# KiCad board motherboard.kicad_pcb (continued)
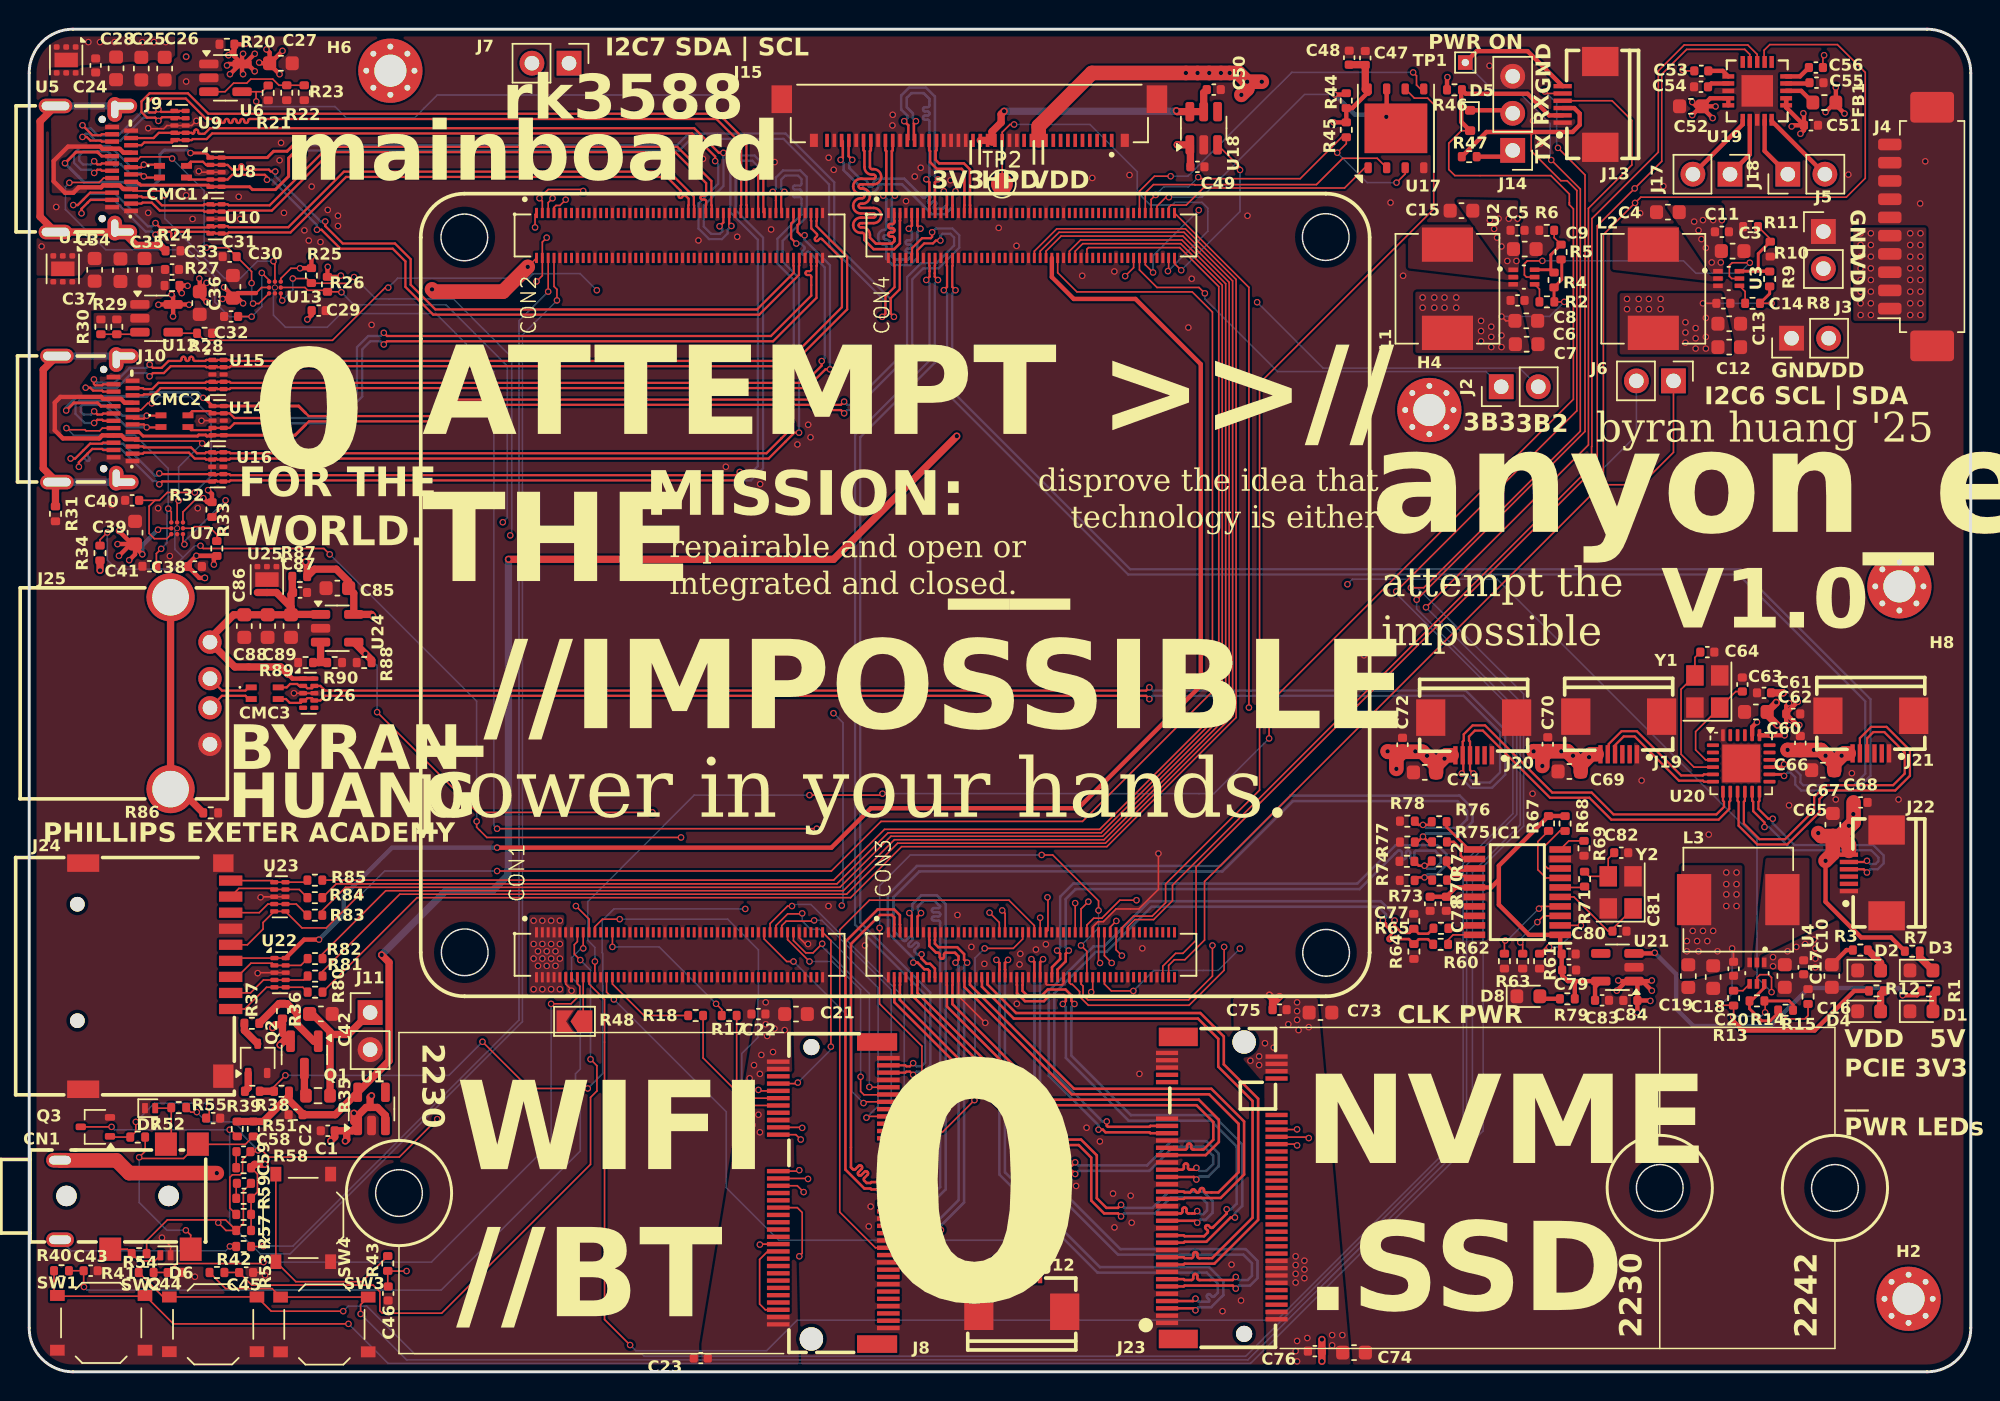
[diagram p0: board, top side]
## Nets (continued)
/USB2.0/D3_N: U20.7
/USB2.0/D3_P: U20.8
/USB2.0/D4_N: J19.5 U20.5
/USB2.0/D4_P: J19.4 U20.6
/USB2.0/X1: C63.1 U20.3 Y1.1
/USB2.0/X2: C64.1 U20.4 Y1.3
/USB20_HOST0_DN: J1.324 U20.14
/USB20_HOST0_DP: J1.322 U20.15
/USB20_HOST1_DN: J1.318 J8.5
/USB20_HOST1_DP: J1.316 J8.3
/USBC0/CC1: C31.1 J9.A5 U13.C1
/USBC0/CC2: C32.1 J9.B5 U13.A1
/USBC0/D+: CMC1.4 J1.190 U8.2 U8.9
/USBC0/D-: CMC1.3 J1.192 U8.4 U8.7
/USBC0/IN_D+: CMC1.1 J9.A6 J9.B6
/USBC0/IN_D-: CMC1.2 J9.A7 J9.B7
/USBC0/RX1+: J1.171 J9.B11 U9.1 U9.10
/USBC0/RX1-: J1.173 J9.B10 U9.2 U9.9
/USBC0/RX2+: J1.159 J9.A11 U10.2 U10.9
/USBC0/RX2-: J1.161 J9.A10 U10.1 U10.10
/USBC0/SBUS+: J1.304 J9.A8 U8.5 U8.6
/USBC0/SBUS-: J1.306 J9.B8 U8.1 U8.10
/USBC0/TX1+: J1.165 J9.A2 U9.4 U9.7
/USBC0/TX1-: J1.167 J9.A3 U9.5 U9.6
/USBC0/TX2+: J1.153 J9.B2 U10.5 U10.6
/USBC0/TX2-: J1.155 J9.B3 U10.4 U10.7
/USBC1/CC1: C40.1 J10.A5 U7.C1
/USBC1/CC2: C41.1 J10.B5 U7.A1
/USBC1/D+: CMC2.4 J1.196 U14.2 U14.9
/USBC1/D-: CMC2.3 J1.198 U14.4 U14.7
/USBC1/IN_D+: CMC2.1 J10.A6 J10.B6
/USBC1/IN_D-: CMC2.2 J10.A7 J10.B7
/USBC1/RX1+: J1.195 J10.B11 U15.1 U15.10
/USBC1/RX1-: J1.197 J10.B10 U15.2 U15.9
/USBC1/RX2+: J1.183 J10.A11 U16.2 U16.9
/USBC1/RX2-: J1.185 J10.A10 U16.1 U16.10
/USBC1/SBUS+: J1.310 J10.A8 U14.5 U14.6
/USBC1/SBUS-: J1.312 J10.B8 U14.1 U14.10
/USBC1/TX1+: J1.189 J10.A2 U15.4 U15.7
/USBC1/TX1-: J1.191 J10.A3 U15.5 U15.6
/USBC1/TX2+: J1.177 J10.B2 U16.5 U16.6
/USBC1/TX2-: J1.179 J10.B3 U16.4 U16.7
/VDC_MODE: J1.18 R48.1
Net-(C58-Pad2): C58.2 R58.2
Net-(C59-Pad2): C59.2 R59.2
Net-(C82-Pad1): C82.1 R71.2 Y2.3
Net-(D1-A): D1.2 R1.1
Net-(D2-A): D2.2 R3.1
Net-(D3-A): D3.2 R7.1
Net-(D4-A): D4.2 R12.1
Net-(D5-K): D5.1 J14.2
Net-(D8-A): D8.2 R79.1
Net-(IC1-CLK0): IC1.20 R60.1
Net-(IC1-IREF): IC1.10 R69.2
Net-(IC1-OE): IC1.8 R68.2
Net-(IC1-S0): IC1.2 R61.2
Net-(IC1-S1): IC1.3 R63.2
Net-(IC1-S2): IC1.4 R66.2
Net-(IC1-~{CLK0}): IC1.19 R62.1
Net-(IC1-~{PD}): IC1.7 R67.2
Net-(J8-PCM_IN/I2S_SD_IN): J8.12 R17.1
Net-(J8-PCM_OUT/I2S_SD_OUT): J8.14 R18.1
Net-(J8-~{SDIO_RESET}): J8.23 R19.2
Net-(J9-SHIELD): J9.S1 R24.1
Net-(J10-SHIELD): J10.S1 R31.1
Net-(J11-Pin_1): C42.1 J11.1 R35.2
Net-(J14-Pin_1): J14.1 R47.2
Net-(J17-Pin_1): J17.1 U19.7
Net-(J17-Pin_2): J17.2 U19.6
Net-(J18-Pin_1): J18.1 U19.9
Net-(J18-Pin_2): J18.2 U19.10
Net-(J25-Shield): J25.5 R86.1
Net-(Q1-D): Q1.3 R35.1
Net-(Q1-G): Q1.1 R36.2 R37.1
Net-(Q2-D): Q2.3 R37.2
Net-(Q2-G): Q2.1 R39.2
Net-(Q3-G): C57.1 Q3.1 R52.1
Net-(U2-FB): R4.1 R5.1 R6.2 U2.6
Net-(U2-PG): R2.1 U2.4
Net-(U3-FB): R9.1 R10.2 R11.2 U3.6
Net-(U3-PG): R8.1 U3.4
Net-(U4-FB): R14.1 R15.1 R16.2 U4.6
Net-(U4-PG): R13.1 U4.4
Net-(U6-ISET): R22.1 R23.1 U6.3
Net-(U12-ISET): R29.1 R30.1 U12.3
Net-(U19-AVDD): FB1.2 U19.13
Net-(U19-INL+): C53.2 U19.1
Net-(U19-INL-): C54.2 U19.2
Net-(U19-INR+): C56.2 U19.15
Net-(U19-INR-): C55.2 U19.14
Net-(U24-ISET): R89.1 R90.1 U24.3

Pads without a net: H2 1; H4 1; H6 1; H8 1; IC1 17 18; J1 35 36 37 38 41 42 43 44 47 48 49 50 53 54 55 56 59 60 61 62 65 66 67 68 111 112 113 114 117 118 119 120 123 124 125 126 129 130 131 132 135 136 137 138 141 142 143 144 147 148 149 150 154 156 160 162 166 168 172 174 178 180 184 186; J8 6 16 38 40 44 46 48 50 58 59 60 61 62 64 65 66 67 68 71 73 76 77; J12 4 5 6; J15 1 2 3 4 5 6 7 8 9 13 20 40; J19 2 3; J20 2 3; J21 2 3; J22 2 3; J23 6 8 10 20 22 24 26 28 30 32 34 36 38 40 42 44 46 48 56 58 67 68 69 76 77; U1 4; U17 9; U18 4; U19 16 20; U20 1 2 13 16 17 18 21 22 23; U21 4; U26 5 6

## Via types
v1: diameter 0.45, hole 0.3, Top to Bottom, 731 vias
v2: diameter 0.5, hole 0.3, Top to Bottom, 1 via
v3: diameter 0.4, hole 0.3, Top to Bottom, 2 vias

## Routing (per net, layer and track width the routed paths; a pad name or vN(x,y) marks a point on that pad's centre or on a via; arc(x,y) is an arc through that point)
+1V8: length 135.5
  Top w0.3: v1(89.35,85.62) R45.1 R44.1 90.63,86.6 91.72,87.68
  Top w0.5: v1(24.14,28.57) 24.65,28.06 24.65,21.3 U1.5 20.96,17.62 C2.1 18.73,17.68 17.79,18.61 R38.1 17.79,18.9 16.04,17.15 R51.2 R50.2 ; v1(32.83,55.68) 55.1,55.68 v1(63.54,64.12) ; 91.72,87.68 91.52,87.88 C47.1 91.5,89.57 C48.1
  In2.Cu w0.5: v1(63.54,64.12) 77.53,64.12 85.3,71.89 85.3,81.57 v1(89.35,85.62)
  Bottom w0.5: v1(32.83,55.68) 32.83,34.39 32.78,34.34 32.78,34.01 31.73,32.97 28.54,32.97 v1(24.14,28.57)
+3.3V: length 66.9
  Top w0.11: U13.A3 17.23,74.92 17.93,75.62 v1(18.55,75.62) ; C6.1 101.15,72.02 v1(100.85,72.32) ; U7.A3 10.53,58.92 11.32,59.71 11.77,59.71 v1(11.92,59.87) ; v1(105.15,73.32) R2.2
  Top w0.2: R5.2 104.98,76.17 104.98,74.84 R4.2 104.45,73.34 R2.2
  Top w0.3: U21.3 111.31,28.67 v1(111.35,28.72) ; v1(118.35,44.52) 118.02,44.19 U20.20 ; C29.1 19.35,72.41 v1(19.05,72.11) ; R33.1 12.84,55.92 v1(11.45,55.92) ; R33.1 11.46,55.91 v1(11.45,55.92) ; R33.1 12.65,55.71 v1(12.65,55.32) ; R1.2 129.32,25.8 v1(128.33,25.8) ; v1(97.15,88.72) 97.12,88.69 R46.2 ; v1(20.45,75.72) 20.43,75.7 R26.1 21.26,75.03 v1(21.35,75.12) ; v1(11.92,59.87) 12.2,59.59 R32.1 12.52,60.15 v1(12.25,60.42) ; v1(11.45,55.92) 10.87,55.34 C38.1 11.65,54.4 v1(12.03,54.4) ; v1(18.55,75.62) 18.56,75.63 R25.1 19.33,76.4 v1(19.35,76.42)
  Top w0.5: U1.3 24.4,17.57 23.85,18.12 23.35,18.12 ; v1(23.45,18.92) 23.35,18.82 23.35,18.12 ; U1.1 22.5,17.54 23.08,18.12 23.35,18.12 ; U1.1 22.24,17.13 v1(22.24,17.72) ; U1.1 22.14,16.52 21.75,16.52 ; v1(120.15,46.52) 120.14,46.53 C61.1 ; 21.75,16.52 C1.1 20.93,16.1 v1(20.65,15.82) ; 21.75,16.52 21.75,15.92 v1(21.65,15.82) ; R34.1 v1(4.85,54.92) ; v1(78.64,84.08) 78.65,84.08 U18.1 79.54,84.04 C49.1 ; v1(119.75,44.32) 119.05,45.02 C60.1 119.67,45.84 v1(119.67,45.87)
  Bottom w0.11: v1(100.85,72.32) 104.15,72.32 v1(105.15,73.32)
  Bottom w0.3: v1(111.35,28.72) 112.81,27.25 112.81,24.88 113.99,23.7 119.29,23.7 121.89,26.3 128.03,26.3 128.33,26 v1(128.33,25.8)
  vias: v1(95.45,73.62) v1(95.45,72.92) v1(96.25,73.62) v1(96.25,72.92) v1(96.95,73.62) v1(96.95,72.92) v1(97.75,73.62) v1(97.75,72.92) v1(99.45,72.02) v1(99.45,71.32) v1(99.45,70.62) v1(100.15,71.62) v1(100.15,70.92) v1(100.15,70.22) v1(100.85,71.02) v1(100.85,70.22)
+3.3V_PCIE: length 26.6
  Top w0.11: v1(116.65,29.02) 116.75,28.92 C20.1 ; R14.2 118.91,25.36 v1(118.91,24.63) ; v1(116.72,24.33) 116.75,24.36 R13.2 116.73,25.12 v1(115.85,25.12)
  Top w0.2: R15.2 120.82,25.15 120.55,25.42 R14.2 ; J12.1 66.74,7.91 v1(66.85,8.02) ; J12.1 66.37,6.7 v1(66.15,6.92) ; J12.1 66.74,7.03 v1(66.15,7.62)
  Top w0.3: v1(116.72,24.33) 116.72,24.05 117.38,23.39 122.3,23.39 125.01,26.1 R12.2
  Bottom w0.11: v1(118.91,24.63) 118.65,24.37 116.76,24.37 v1(116.72,24.33) ; v1(115.85,25.12) 116.65,25.92 v1(116.65,29.02)
  vias: v1(48.75,16.12) v1(48.95,16.82) v1(49.15,17.62) v1(49.35,20.12) v1(49.45,16.32) v1(49.55,16.92) v1(49.65,21.02) v1(49.95,17.62) v1(50.05,20.42) v1(50.05,16.42) v1(50.15,21.72) v1(50.45,25.32) v1(50.45,23.82) v1(50.55,23.02) v1(50.95,21.92) v1(51.05,23.52) v1(51.75,23.42) v1(83.65,21.32) v1(84.25,21.62) v1(84.25,21.02) v1(84.65,22.52) v1(85.25,22.22) v1(86.25,23.82) v1(86.75,7.92) v1(86.75,7.32) v1(86.75,6.72) v1(86.75,6.12) v1(86.75,1.42) v1(86.85,25.32) v1(86.85,24.72) v1(86.85,24.12) v1(86.85,2.12) v1(86.85,0.72) v1(86.95,23.42) v1(87.35,7.62) v1(87.35,7.02) v1(87.35,6.42) v1(87.55,2.32) v1(87.65,23.62) v1(89.25,2.52) v1(89.25,1.82) v1(89.95,2.52) v1(113.55,29.52) v1(113.55,28.82) v1(113.95,30.22) v1(114.25,29.52) v1(114.35,28.82) v1(114.65,30.22) v1(114.95,29.52) v1(115.35,30.22) v1(115.65,28.82) v1(116.25,34.22) v1(116.25,33.42) v1(116.25,32.72) v1(116.25,31.92) v1(116.95,34.22) v1(116.95,33.42) v1(116.95,32.72) v1(116.95,31.92)
+5V: length 120.3
  Top w0.11: U13.B1 15.92,74.3 15.53,73.92 ; R8.2 v1(119.35,73.22) ; v1(8.82,57.7) 8.92,57.8 U7.B1 ; v1(114.65,73.22) C14.1
  Top w0.2: R9.2 119.22,73.88 R8.2
  Top w0.3: v1(7.75,56.02) 7.25,56.52 C39.1 ; C36.1 11.68,73.78 v1(12.15,73.32) ; C36.1 11.68,74.15 v1(12.15,74.62) ; C36.1 11.68,74.88 v1(11.65,74.92) ; v1(10.95,73.12) 10.93,73.14 U12.5 ; v1(113.92,86.11) 114.52,86.72 C52.1 ; C62.1 120.36,45.62 v1(120.55,45.82) ; C62.1 121.13,44.32 v1(121.25,44.32) ; C62.1 120.36,44.51 v1(120.55,44.32) ; C62.1 120.36,45.12 v1(121.15,45.92) ; C52.1 114.21,86.72 v1(113.92,87.01) ; C52.1 115.15,87.27 U19.4 U19.5 ; C52.1 114.6,86.62 v1(115.32,85.91) ; C52.1 115.51,86.72 v1(115.52,86.71) ; C27.1 15.8,89.67 v1(15.75,89.72) ; C27.1 16.47,90.4 v1(16.25,90.62) ; C27.1 16.47,89.6 v1(17.15,88.92) ; C27.1 16.5,89.67 v1(17.35,90.52) ; v1(14.65,73.22) 14.3,73.57 C30.1 ; C30.1 13.95,73.71 v1(13.35,74.32) ; C30.1 14.3,73.92 15.53,73.92 ; C30.1 13.31,73.57 v1(13.25,73.52) ; v1(13.65,90.22) 14.05,90.62 R20.1 ; R20.1 14.05,90.14 U6.5 ; R20.1 14.8,90.97 v1(14.85,91.02) ; 119.14,43.62 v1(119.35,43.62) ; 119.14,43.62 119.15,43.62 ; 119.14,43.62 U20.19 120.24,43.62 v1(120.25,43.62) ; v1(13.75,88.92) 14.45,89.62 U6.5 ; v1(9.85,72.32) 9.86,72.32 U12.5 ; v1(6.15,57.62) 7.04,56.73 C39.1 ; U6.5 14.58,88.99 v1(14.65,88.92) ; U6.5 14.58,90.25 v1(14.65,90.32) ; U6.5 14.95,89.62 v1(15.45,89.12) ; U6.5 13.65,89.62 v1(13.55,89.52) ; U6.5 14.75,89.62 v1(15.45,90.32) ; C39.1 6.06,56.73 v1(6.05,56.72) ; C39.1 6.96,56.73 v1(6.15,55.92) ; C39.1 7.25,56.01 v1(6.85,55.62) ; U21.1 111.11,26.77 v1(111.15,26.82) ; U21.1 109.41,26.77 v1(108.75,26.12) ; U21.1 110.5,26.77 v1(111.15,26.12) ; U21.1 108.9,26.77 v1(108.85,26.82) ; U21.1 110.16,26.54 C84.1 ; C84.1 110.16,24.63 v1(110.15,24.62) ; C84.1 111.02,25.45 v1(111.05,25.42) ; v1(10.45,73.92) 10.29,74.07 R27.1 10.83,74.44 v1(10.85,74.42) ; C51.1 121.57,85.08 v1(121.33,84.84) ; C51.1 120.35,86.64 U19.12 U19.11 ; C51.1 120.81,85.42 v1(120.73,85.34) ; C51.1 121.57,86.19 v1(121.53,86.24) ; U12.5 8.88,73.14 v1(8.85,73.12) ; U12.5 9.86,73.71 v1(9.75,73.82) ; FB1.1 123.76,86.81 v1(124.35,86.22) ; FB1.1 123.71,86.97 v1(123.05,86.32) ; FB1.1 123.76,88.01 v1(123.75,88.02) ; R7.2 127.54,29.76 125.49,29.76 123.05,32.2 v1(123.05,35.02)
  Top w0.5: 17.35,23.79 17.35,23.2 Q1.2 17.44,22.65 v1(17.18,22.4) ; 17.35,23.79 16.88,23.79 v1(16.67,23.58) ; 17.35,23.79 R36.1 ; v1(23.53,51.8) 23.43,51.9 U24.5 22.23,53.35 C85.1 21.88,54.15 21.03,55 19.54,55 R87.1 19.04,55.39 v1(18.93,55.5)
  Top w1: C72.1 95.44,42.49 96.37,41.55 ; C72.1 93.08,42.49 v1(93.05,42.52) ; C72.1 93.65,42.07 v1(93.65,41.32) ; 124.65,35.7 124.65,36.09 124.03,36.71 ; C70.1 103.06,42.53 v1(103.05,42.52) ; C70.1 105.36,42.53 106.28,41.61 ; C70.1 103.65,42.16 v1(103.65,41.52) ; 124.03,36.71 124.97,37.66 C68.1 ; 124.03,36.71 C65.1 ; 107.37,42.32 106.98,42.32 106.28,41.61 ; 97.44,42.25 97.07,42.25 96.37,41.55 ; C65.1 122.76,36.71 v1(122.55,36.92) ; C65.1 123.55,35.52 v1(123.05,35.02) ; 124.64,42.38 124.32,42.38 123.65,41.7 ; 123.65,41.7 C67.1 ; 123.65,41.7 122.74,42.61 C66.1 120.46,42.61 v1(120.45,42.62) ; 106.28,41.61 C69.1 ; 96.37,41.55 C71.1
  Bottom w0.11: v1(119.35,73.22) v1(114.65,73.22)
  Bottom w0.3: v1(8.82,57.7) 7.75,56.63 v1(7.75,56.02)
  vias: v1(94.95,42.52) v1(95.75,42.22) v1(96.95,42.02) v1(104.95,42.52) v1(105.75,42.22) v1(106.85,42.12) v1(109.45,73.52) v1(109.45,72.82) v1(110.25,73.52) v1(110.25,72.82) v1(110.95,73.52) v1(110.95,72.82) v1(111.75,73.52) v1(111.75,72.82) v1(113.45,71.92) v1(113.45,71.22) v1(113.45,70.52) v1(114.15,71.52) v1(114.15,70.82) v1(114.15,70.12) v1(114.85,72.22) v1(114.85,70.92) v1(114.85,70.12) v1(122.25,42.62) v1(123.05,42.22) v1(124.15,42.22) v1(124.65,37.42) v1(124.95,38.22)
/eDP/VCC_3.3V: length 18.6
  Top w0.5: v1(78.58,86.41) 78.64,86.35 U18.6 U18.5 80.45,87.65 C50.1 ; v1(66.78,86.38) 66.58,86.17 66.58,85.6 65.95,84.98 65.95,84.27 65.84,84.38 J15.19
  Bottom w0.5: v1(78.58,86.41) 78.55,86.38 v1(66.78,86.38)
/Ext_USB2.0/VBUS: length 22.9
  Top w0.3: 17.73,47.8 18.03,47.5 U26.1 U26.10
  Top w0.5: C89.1 17.96,51.9 U24.1 ; C89.1 17.93,52.4 U25.6 U25.5 U25.4 ; C89.1 17.93,53.26 C87.1 18.02,53.45 R87.2 ; C89.1 C88.1 ; 17.73,47.8 17.23,48.3 14.08,48.3 J25.1 12.38,50.25 14.01,51.88 C86.1 C88.1 ; C88.1 16.63,51.88
/PCIE3.0-MKEY/+3.3V_PI6C: length 27.2
  Top w0.3: 100.67,33.72 100.67,34.68 R67.1 105.2,38.09 R68.1 ; 100.67,33.72 100.67,32.01 102.74,29.94 IC1.1 104.87,28.73 C80.1 104.97,27.56 C79.1 105,27.16 105.4,26.77 105.84,26.77 ; 100.67,33.72 100.15,33.19 IC1.15 97.71,33.19 C78.1 C77.1 ; 105.84,26.77 105.87,26.74 R79.2 ; 105.84,26.77 U21.5 107.26,26.38 C83.1
/SD Card/VDD: length 111.1
  Top w0.11: J24.4 13.99,28.35 U22.1 ; U22.1 U22.10 ; U22.1 16.69,28.35
  Top w0.3: v1(32.05,35.92) 54.95,35.92 57.65,38.62 71.85,38.62 80.25,47.02 80.25,69.05 75.78,73.52 71.55,73.52 70.05,75.01 J1.358 ; U22.10 18.83,29.62 v1(19.85,29.62)
  Bottom w0.3: v1(32.05,35.92) 24.85,35.92 21.55,32.62 21.55,31.32 v1(19.85,29.62)
/USBC0/VBUS: length 28.4
  Top w0.11: v2(9.29,80.64) 9.01,80.92 7.11,80.92 J9.A9 ; v1(16.73,76.1) 16.73,76 16.83,75.9 U13.A2
  Top w0.3: J9.A4 6.46,83.54 6.2,83.8 J9.B9 5.02,83.8 4.86,83.96 2.66,83.96 1.68,82.97 1.68,81.57 2.46,80.79 3.02,80.79 3.4,81.16 4.93,81.16 5.06,81.3 J9.B4 6.2,81.3 6.45,81.05 J9.A9
  Bottom w0.11: v1(16.73,76.1) 15.63,76.1 14.46,74.93 13.39,74.93 9.29,79.03 v2(9.29,80.64)
/USBC1/VBUS: length 24.3
  Top w0.11: U7.A2 10.13,59.6 v1(10.23,59.7) ; J10.A9 7.21,63.78 11.69,63.78 v1(11.85,63.62)
  Top w0.3: J10.A9 6.56,63.92 6.31,64.17 J10.B4 5,64.17 4.8,63.96 2.31,63.96 1.75,64.52 1.75,66.42 2.14,66.8 4.93,66.8 5.07,66.67 J10.B9 6.28,66.67 6.54,66.41 7.08,66.41
  Bottom w0.11: v1(11.85,63.62) 10.23,62 v1(10.23,59.7)
GND: length 34.4
  Top w0.11: U8.8 U8.3 11.69,82.2 v1(11.62,82.27) ; v1(37.15,26.12) 37.15,26.17 36.75,26.57 J1.12 ; U23.8 U23.3 15.89,32.55 v1(15.85,32.52) ; v1(18.13,46.5) U26.3 U26.8 ; C45.2 15.96,6.81 v1(16.15,6.62) ; D6.1 9.68,8.6 v1(9.09,9.19) ; U10.8 U10.3 ; J1.271 72.85,30.48 73.21,30.84 73.58,30.84 74.45,31.72 76.01,31.72 77.35,33.06 v1(77.35,35.52) ; v1(11.45,85.72) 11.14,85.4 U9.8 U9.3 9.44,85.4 9.22,85.18 8.19,85.18 v1(8.15,85.22) ; v1(53.35,29.32) 53.17,29.32 52.75,29.74 J1.91 ; v1(11.8,65.17) 11.81,65.18 U14.3 ; J1.262 70.85,26.62 70.75,26.52 69.71,26.52 69.65,26.58 J1.256 ; J1.226 63.65,25.75 v1(65.49,23.92) ; v1(15.65,27.32) 15.69,27.35 U22.3 U22.8
  Top w0.5: v1(84.95,25.82) 85.17,25.6 C75.2 85.17,25.24 v1(85.65,25.72) ; v1(88.55,2.22) C76.2 v1(88.55,0.72)
  vias: v1(0.85,77.12) v1(1.85,79.82) v1(4.05,91.12) v1(4.85,91.12) v1(5.65,59.4) v1(5.85,91.12) v1(6.75,91.12) v1(7.75,91.12) v1(8.15,79.42) v1(8.55,91.12) v1(8.83,59.18) v1(9.35,91.12) v1(9.63,55.9) v1(10.75,90.12) v1(10.75,88.42) v1(10.75,80.62) v1(11.19,79) v1(11.35,6.52) v1(11.54,59.18) v1(14.35,80.52) v1(14.45,79) v1(17.15,83.02) v1(17.25,84.22) v1(17.45,79.42) v1(18.35,82.62) v1(18.85,78.22) v1(19.15,77.52) v1(19.35,81.22) v1(19.95,77.42) v1(20.45,79.62) v1(20.55,82.42) v1(21.15,79.22) v1(21.15,78.52) v1(23.45,71.74) v1(45.84,77.53) v1(46.15,83.12) v1(47.72,62.02) v1(48.5,77.78) v1(50.07,60.83) v1(50.82,78.28) v1(51.06,82.9) v1(51.29,64.79) v1(51.51,65.49) v1(52.62,63.55) v1(53.36,64.9) v1(53.52,64.04) v1(54.76,83.2) v1(54.75,31.92) v1(55.11,82.37) v1(57.25,29.22) v1(57.51,9.97) v1(57.64,11.33) v1(59.15,86.14) v1(59.13,85.41) v1(60.06,80.22) v1(60.66,81.91) v1(61.07,82.51) v1(63.11,81.65) v1(63.59,31.3) v1(64.54,29.12) v1(65.43,27.96) v1(66.41,78.39) v1(67.63,77.16) v1(67.65,25.22) v1(67.84,27.92) v1(67.89,28.65) v1(68.96,28.94) v1(69.64,29.3) v1(71.71,12.74) v1(72.13,75.1) v1(72.43,16.73) v1(72.82,81.81) v1(73.34,15.79) v1(74.24,12.22) v1(74.33,75.4) v1(74.34,9.9) v1(75.37,82.01) v1(75.45,12.07) v1(75.52,10.22) v1(76.05,20.42) v1(76.25,29.02) v1(79.4,71.56) v1(79.63,74.9) v1(81.74,4.16) v1(82.36,7.35) v1(83.01,4.89) v1(83.45,79.22) v1(87.03,44.6) v1(91.43,49.1) v1(93.25,80.12) v1(94.11,75.11) v1(100.03,89.5) v1(102.98,39.62) v1(103.01,85.73) v1(103.5,84.16) v1(110.35,79.39) v1(110.45,40.52) v1(111.94,81.25) v1(115.05,36.82) v1(120.55,38.82) v1(123.75,39.22) v1(124.61,82.04) v1(124.85,41.02) v1(128.05,39.22) v1(129.53,80.06) v1(129.88,82.95)
GND_AUDUO: length 96.5
  Top w0.11: v1(34.15,75.72) 34.75,76.31 J1.102 ; R58.1 15.63,13.55 15.63,12.32 R59.1 R56.1 R57.1
  Top w0.5: R58.1 15.43,14.22 v1(16.15,14.22)
  Top w1: CN1.2 2.13,14.49 5.98,14.49 6.85,13.62 v1(12.85,13.62) ; v1(34.15,75.72) 32.45,74.02 27.75,74.02 v1(27.59,74.17)
  In2.Cu w1: v1(27.59,74.17) 25.55,72.13 25.55,18.12 21.65,14.22 v1(16.15,14.22) 15.55,13.62 v1(12.85,13.62)
VDD: length 20.9
  Top w0.3: R3.2 124.49,28.9 C16.1
  Top w1: J15.11 69.15,85.36 72.79,89 v1(79.23,89) v1(80.03,89) v1(80.83,89) v1(81.63,89) v1(82.23,89) v1(82.83,89) v1(83.43,88.4) ; v1(83.03,87.5) 83.43,87.9 v1(83.43,88.4) ; v1(83.43,88.4) v1(84.43,88.4)
  vias: v1(34.55,30.92) v1(34.55,29.32) v1(34.55,28.32) v1(34.55,26.22) v1(34.85,28.82) v1(34.85,27.82) v1(35.15,30.92) v1(35.15,29.32) v1(35.15,28.32) v1(35.15,26.22) v1(35.45,28.82) v1(35.45,27.82) v1(35.75,30.92) v1(35.75,29.32) v1(35.75,28.32) v1(35.75,26.22) v1(36.05,28.82) v1(36.05,27.82) v1(36.35,30.92) v1(36.35,29.32) v1(36.35,28.32) v1(36.35,26.22) v1(100.05,78.92) v1(100.35,78.32) v1(100.55,77.72) v1(100.65,79.02) v1(100.85,77.12) v1(101.25,76.12) v1(101.35,79.02) v1(101.88,76.12) v1(101.95,79.02) v1(114.05,78.82) v1(114.35,78.22) v1(114.55,77.62) v1(114.65,78.92) v1(114.85,77.02) v1(115.25,76.02) v1(115.35,78.92) v1(115.88,76.02) v1(115.95,78.92) v1(119.45,28.42) v1(119.45,27.79) v1(120.45,28.82) v1(121.05,29.12) v1(121.65,29.32) v1(122.25,29.62) v1(122.35,29.02) v1(122.35,28.32) v1(122.35,27.72) v1(125.45,78.02) v1(125.45,77.22) v1(125.45,76.42) v1(125.45,75.62) v1(125.45,74.82) v1(125.45,74.02) v1(125.45,73.22) v1(125.45,72.42) v1(126.15,78.02) v1(126.15,77.22) v1(126.15,76.42) v1(126.15,75.62) v1(126.15,74.82) v1(126.15,74.02) v1(126.15,73.22) v1(126.15,72.42) v1(128.85,78.02) v1(128.85,77.22) v1(128.85,76.42) v1(128.85,75.62) v1(128.85,74.82) v1(128.85,74.02) v1(128.85,73.22) v1(128.85,72.42) v1(129.55,78.02) v1(129.55,77.22) v1(129.55,76.42) v1(129.55,75.62) v1(129.55,74.82) v1(129.55,74.02) v1(129.55,73.22) v1(129.55,72.42)
/Audio/L_AUDIO: length 177.6
  Top w0.11: v1(11.48,17.8) 11.06,17.8 R55.2 ; C53.1 113.32,89.14 v1(113.25,89.22) ; v1(27.95,17.32) 25.35,14.72 16.41,14.72 15.95,15.18 v1(15.68,15.18) 15.59,15.09 C58.1 14.61,14.54 14.61,13.67 14.44,13.5 13.92,13.5 13.74,13.33 13.74,11.22 R56.2 ; v1(35.45,77.72) 35.15,77.41 J1.104 35.15,75.11 v1(34.75,74.72)
  In2.Cu w0.11: v1(113.25,89.22) 103.62,89.22 102.08,87.67 93.64,87.67 91.49,89.82 47.65,89.82 35.55,77.72 v1(35.45,77.72) ; v1(34.75,74.72) 31.05,74.72 26.75,70.42 26.75,24.52 27.95,23.32 v1(27.95,17.32)
  Bottom w0.11: v1(15.68,15.18) 14.58,16.28 14.58,16.57 14.03,17.12 12.16,17.12 v1(11.48,17.8)
/Audio/L_DET: length 18.6
  Top w0.11: R52.2 7.94,15.11 v1(7.53,14.7) 7.61,14.62 10.57,14.62 CN1.6 11.57,15.59 14.81,15.59 R51.1 ; v1(10.73,9.7) 11.06,9.37 CN1.5
  Bottom w0.11: v1(7.53,14.7) 7.53,11.6 9.44,9.7 v1(10.73,9.7)
/Audio/L_HP: length 3.8
  Top w0.11: D7.2 9.69,18.07 R55.1 9.73,15.97 CN1.4
/Audio/MIC: length 12.5
  Top w0.11: v1(13.75,8.6) 13.76,8.59 R53.1
  Bottom w0.11: v1(13.75,8.6) 13.45,8.29 2.87,8.29 CN1.1
/Audio/R_AUDIO: length 190.7
  Top w0.11: R54.2 8.04,8.99 9.46,10.41 13.46,10.41 R57.2 ; C59.1 14.67,12.4 14.67,10.18 R57.2 ; v1(12.95,10.22) 13.48,9.69 R57.2 ; v1(37.95,80.92) 37.85,81.02 35.55,81.02 v1(34.95,80.42) 35.15,80.22 J1.103 ; C56.1 122.87,90.13 v1(122.95,90.22)
  In2.Cu w0.11: v1(12.95,10.22) 19.55,10.22 26.35,17.02 26.35,70.7 34.12,78.46 34.12,78.64 34.43,78.95 34.69,78.95 34.95,79.21 v1(34.95,80.42) ; v1(122.95,90.22) 122.7,90.47 47.51,90.47 v1(37.95,80.92)
/Audio/R_HP: length 3.9
  Top w0.11: D6.2 8.6,7.6 7.52,7.6 R54.1 6.72,8.4 CN1.3
/BOOT_SARADC_IN0: length 48
  Top w0.11: v1(38.45,21.42) 38.89,20.98 38.89,19.25 38.45,18.81 38.45,14.22 28.25,4.02 24.19,4.02 24.02,4.19 24.02,5.49 23.57,5.94 15.25,5.94 C45.1 R42.1 ; J1.15 37.55,29.48 37.34,29.27 37.34,28.63 v1(37.75,28.22)
  Bottom w0.11: v1(37.75,28.22) 38.45,27.52 v1(38.45,21.42)
/Ext_USB2.0/EXTUSB20_D3_N: length 93.8
  Top w0.155: 98.2,41.96 98.23,41.93 98.23,41.1 v1(98.13,41) ; CMC3.4 17.64,46.9 17.87,47.13 18.36,47.13 18.49,47 U26.2 18.89,47 19.05,46.84 19.37,46.84 U26.9 19.95,47 20.27,46.68 76.51,46.68 v1(76.73,46.9)
  Bottom w0.155: v1(76.73,46.9) 76.95,46.68 98.41,46.68 101.11,43.97 101.11,40.93 100.21,40.02 98.76,40.02 98.35,40.43 98.35,40.78 v1(98.13,41)
/Ext_USB2.0/EXTUSB20_D3_P: length 92.1
  Top w0.155: v1(98.93,41) 98.7,41.23 98.7,41.96 ; v1(76.73,46.1) 76.51,46.32 20.27,46.32 19.95,46 U26.7 19.37,46.16 19.05,46.16 18.89,46 U26.4 18.6,45.84 17.85,45.84 17.59,46.1 CMC3.3
  Bottom w0.155: v1(76.73,46.1) 76.95,46.32 98.26,46.32 100.75,43.83 100.75,41.07 100.06,40.38 98.91,40.38 98.71,40.58 98.71,40.78 v1(98.93,41)
/Ext_USB2.0/USB_N: length 3.3
  Top w0.155: J25.2 13.2,46.68 14.81,46.68 15.03,46.9 CMC3.1
/Ext_USB2.0/USB_P: length 3.3
  Top w0.155: J25.3 13.2,46.32 14.81,46.32 15.03,46.1 CMC3.2
/GPIO0_A4/SDMMC_DET_L: length 106.1
  Top w0.11: J1.370 72.45,76.93 72.56,77.04 78.81,77.04 81.49,74.36 81.49,45.33 73.33,37.17 58.59,37.17 55.11,33.69 R85.1
/GPIO0_B2: length 20.8
  Top w0.11: J1.247 68.05,29.66 67.41,29.02 v1(65.45,29.02) ; J8.21 58.91,16.44 62.58,16.44 v1(64.75,18.62)
  Bottom w0.11: v1(64.75,18.62) 64.79,18.65 64.79,28.35 v1(65.45,29.02)
/GPIO0_C4/UART0_RX_M0: length 40.6
  Top w0.11: v1(73.25,31.62) 73.25,32.27 70.11,35.42 v1(69.35,35.42) ; v1(72.05,29.22) 72.45,28.81 J1.270 ; R19.1 61.15,22.32 58.25,25.22 v1(58.25,30.42)
  Bottom w0.11: v1(73.25,31.62) 73.25,30.42 v1(72.05,29.22) ; v1(58.25,30.42) 58.25,33.32 60.35,35.42 v1(69.35,35.42)
/GPIO0_C5/UART0_TX_M0/PWM4_M0: length 27.3
  Top w0.11: J1.272 72.85,26.12 v1(72.75,26.02) ; J8.20 52.92,16.75 v1(52.95,16.72)
  In2.Cu w0.11: v1(52.95,16.72) 53.75,15.92 63.07,15.92 72.75,25.6 v1(72.75,26.02)
/GPIO0_D3/CC_INT_L: length 120.6
  Top w0.11: v1(32.05,37.22) v1(53.95,37.22) ; v1(81.85,29.12) 81.85,27.52 79.45,25.12 72.55,25.12 71.95,25.72 71.95,26.05 71.45,26.55 71.35,26.55 71.25,26.66 J1.264
  In2.Cu w0.11: v1(81.85,29.12) 81.85,32.92 77.55,37.22 v1(53.95,37.22)
  Bottom w0.11: v1(32.05,37.22) 31.83,37.44 31.83,68.54 27.85,72.52 21.35,72.52 20.41,71.58 17.56,71.58 16.73,72.4 16.73,74.2 v3(16.83,74.3)
/GPIO0_D5: length 114
  Top w0.11: v1(44.65,36.62) 31.35,36.62 30.65,37.32 v1(30.65,37.72) ; v1(11.73,56.6) 11.92,56.42 20.19,56.42 v1(20.59,56.02) ; R34.2 4.85,57.02 v1(5.35,57.52) ; J1.268 72.05,26.57 72.19,26.43 72.19,25.82 72.53,25.48 79.42,25.48 81.05,27.12 v1(81.05,29.22)
  In2.Cu w0.11: v1(81.05,29.22) 81.05,33.02 77.15,36.92 55.15,36.92 54.75,36.52 44.75,36.52 v1(44.65,36.62)
  Bottom w0.11: v1(30.65,37.72) 30.65,45.95 v1(20.59,56.02) ; v1(11.73,56.6) 11.34,56.6 10.53,55.8 ; v3(10.13,57.8) 9.98,57.65 9.98,56.35 10.53,55.8 ; 10.53,55.8 10.22,55.48 10.22,55.36 9.86,55.01 5.96,55.01 5.35,55.62 v1(5.35,57.52)
/GPIO1_A0/UART6_RX_M1: length 31
  Top w0.11: J8.22 52.52,16.25 v1(52.85,15.92) ; J1.273 73.25,28.11 v1(73.35,28.02)
  In2.Cu w0.11: v1(52.85,15.92) 53.05,15.72 63.21,15.72 73.65,26.16 73.65,27.72 v1(73.35,28.02)
/GPIO1_A1/UART6_TX_M1: length 32
  Top w0.11: J1.275 73.65,28.51 v1(74.15,28.02) ; v1(52.75,13.82) 52.69,13.75 J8.32
  In2.Cu w0.11: v1(74.15,28.02) 74.15,26.38 61.59,13.82 v1(52.75,13.82)
/GPIO1_A2/I2C4_SDA_M3_TP: length 35.5
  Top w0.11: J8.36 52.62,12.75 v1(53.05,12.32) ; J1.277 74.05,30.48 v1(74.47,30.89)
  In2.Cu w0.11: v1(74.47,30.89) 75.39,29.97 75.39,27.05 60.65,12.32 v1(53.05,12.32)
/GPIO1_A3/I2C4_SCL_M3_TP: length 32.8
  Top w0.11: J1.279 74.45,28.91 v1(74.85,28.52) ; J8.34 53.32,13.25 v1(53.35,13.22)
  In2.Cu w0.11: v1(53.35,13.22) 53.55,13.02 61.07,13.02 74.85,26.8 v1(74.85,28.52)
/GPIO1_A4: length 68.7
  Top w0.11: U17.6 94.89,87.28 95.79,87.28 96.21,86.86 96.21,79.68 84.28,67.75 84.28,39.86 77.84,33.42 77.84,32.14 76.92,31.22 75.64,31.22 74.85,30.43 J1.281
/GPIO1_A7: length 83.1
  Top w0.11: U19.18 118.37,90.27 117.73,90.92 113.37,90.92 111.59,89.14 111.59,83.57 107.04,79.02 107.04,63.41 107.02,63.39 107.02,62.06 78.32,33.35 78.32,32.28 77.02,30.99 75.74,30.99 75.25,30.5 J1.283
/GPIO1_B0: length 85.6
  Top w0.11: v1(42.69,38.33) 30.7,38.33 v1(23.83,45.2) ; J1.276 73.65,26.58 74.13,26.1 v1(75.63,26.1)
  Top w0.5: U24.4 v1(23.03,49.2) 23.45,48.78 R88.1
  In2.Cu w0.11: v1(82.93,29) 82.93,33.2 77.8,38.33 v1(42.69,38.33)
  Bottom w0.11: v1(23.03,49.2) 23.83,48.4 v1(23.83,45.2) ; v1(82.93,29) 81.43,27.5 77.03,27.5 v1(75.63,26.1)
/GPIO1_C4/HP_DET_L: length 98.3
  Top w0.11: v1(13.73,16.59) 13.8,16.59 R50.1 ; J1.108 35.95,74.37 36.15,74.17 v1(36.15,73.42) ; Q3.3 v1(5.64,16.79)
  Bottom w0.11: v1(36.15,73.42) 33.79,71.05 33.79,24 17.87,8.08 15.83,8.08 13.73,10.18 v1(13.73,16.59) 5.84,16.59 v1(5.64,16.79)
/GPIO1_D2/TYPEC5V_PWREN_H: length 132.2
  Top w0.11: J1.239 66.45,30.79 v1(65.78,31.46) ; 15.54,87.72 15.54,87.06 v1(15.55,87.05) ; 15.54,87.72 15.94,87.72 R21.1 ; 15.54,87.72 U6.4
  In2.Cu w0.11: v1(47.11,87.49) 46.97,87.49 41.76,82.28 41.76,78.27 27.02,63.52 27.02,57.74 39.62,45.13 v1(55.09,45.13) ; v1(65.78,31.46) 65.26,31.98 55.69,31.98 v1(55.66,31.95)
  Bottom w0.11: v1(55.09,45.13) 55.74,44.48 55.74,32.03 v1(55.66,31.95) ; v1(15.55,87.05) 15.9,86.7 20.94,86.7 21.71,85.93 26.39,85.93 27.95,87.49 v1(47.11,87.49)
/GPIO1_D3/PWM1_M1: length 67.3